# Altium PCB PCB1.PcbDoc (continued)
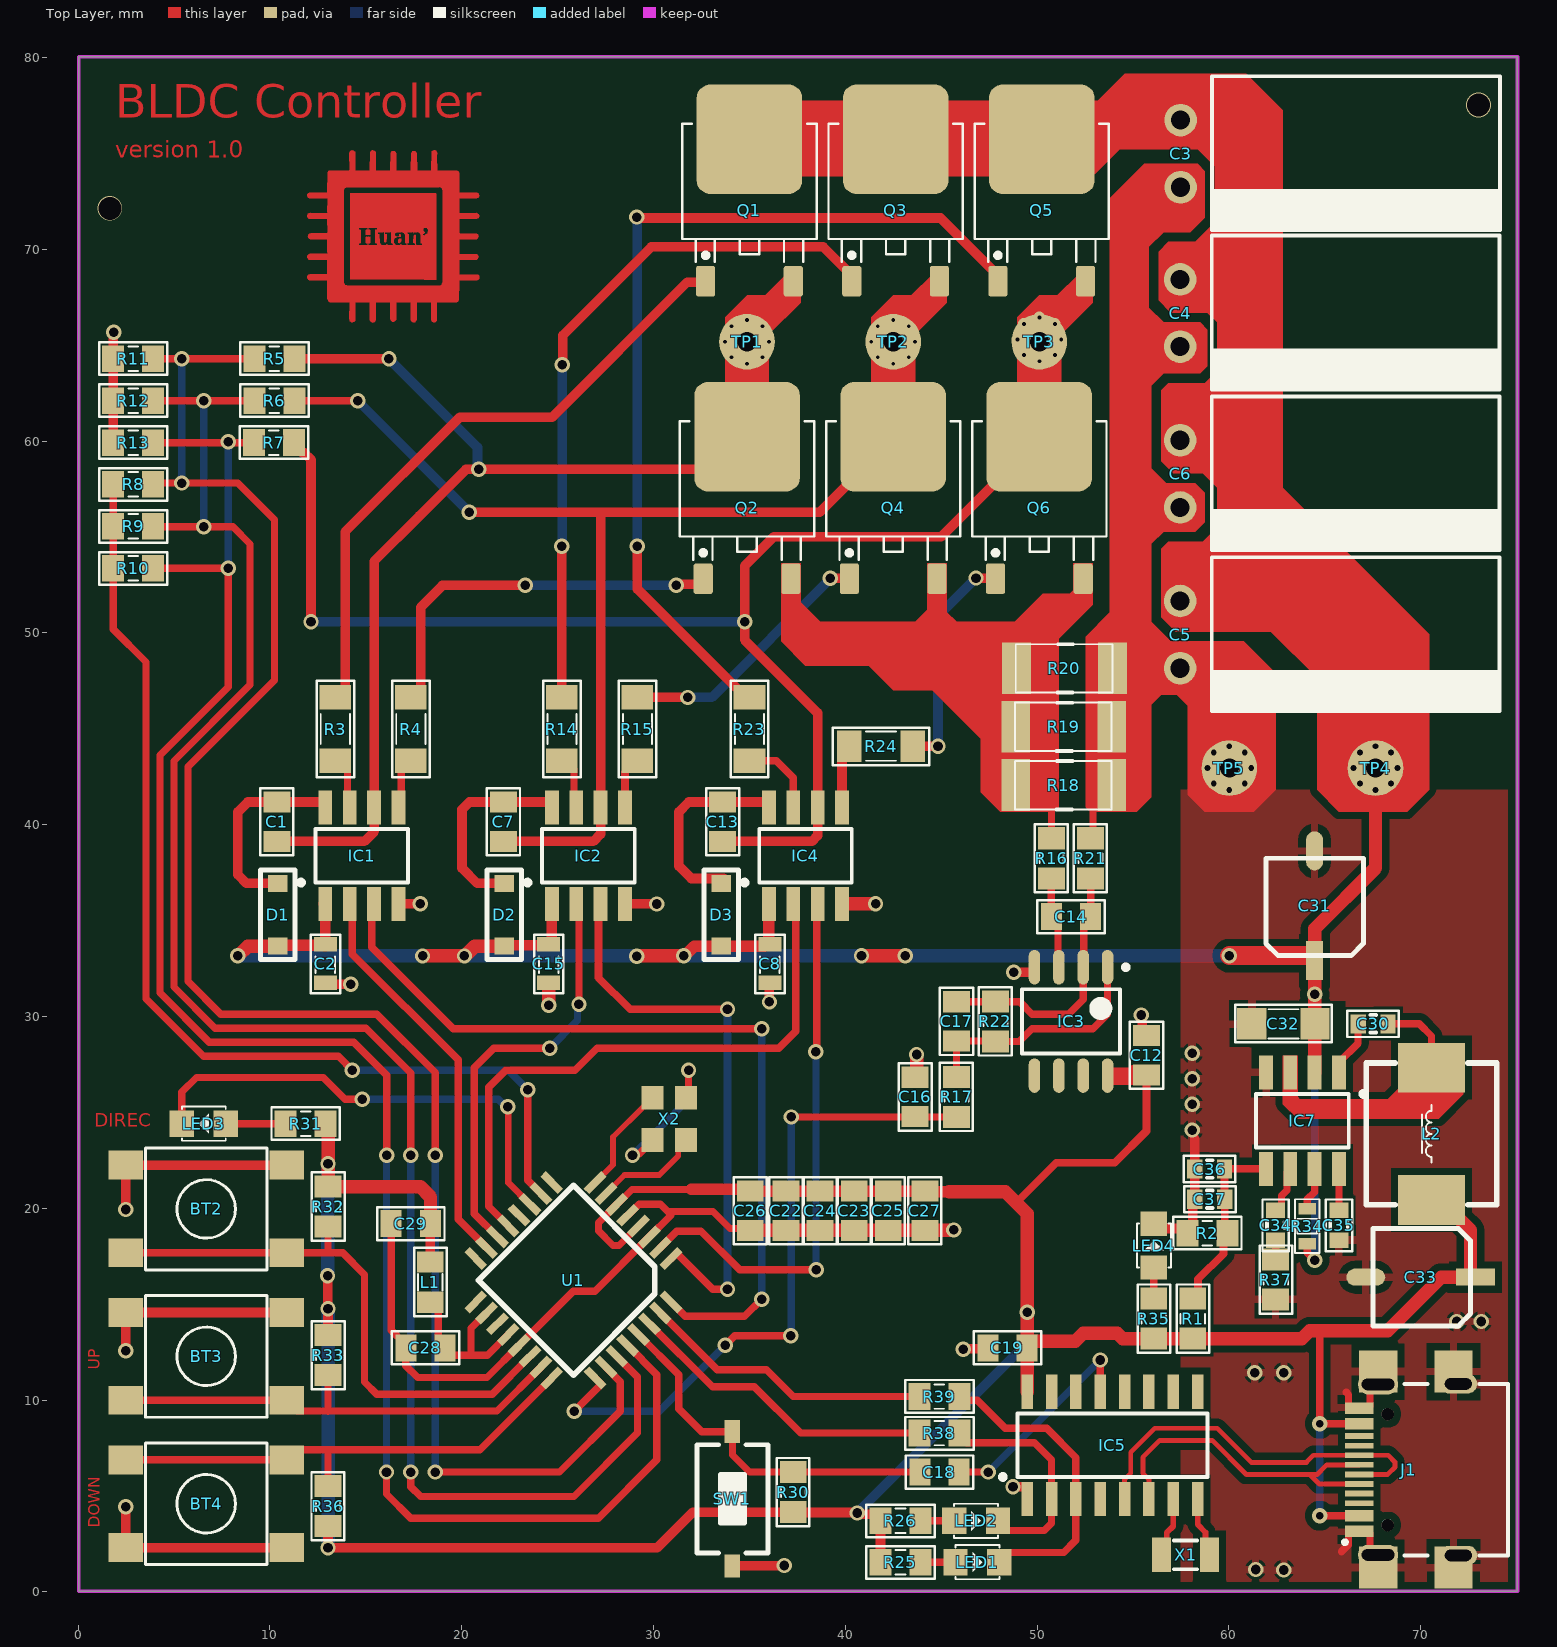
[diagram p0: Top Layer view]
## Footprints (in the part's own frame and the unit in brackets; to place one, negate y for a bottom-side part, rotate by r counter-clockwise, add the part's x,y. Pads: shape width x height; smd on the part's side, far side on the other; paste and mask are expansions set on the pad) (continued)
SOIC-8 [mm]
  rect 1.78x0.72 smd: 1(-2.51,1.905) 2(-2.51,0.635) 3(-2.51,-0.635) 4(-2.51,-1.905) 5(2.51,-1.905) 6(2.51,-0.635) 7(2.51,0.635) 8(2.51,1.905)
  silkscreen extent -1.52,-2.41 1.4,3.3, body extent -2.99,-2.45 2.99,2.45, height 1.35
SOIC-16 [mm]
  rect 1.78x0.6 smd: 1(-2.794,4.445) 2(-2.794,3.175) 3(-2.794,1.905) 4(-2.794,0.635) 5(-2.794,-0.635) 6(-2.794,-1.905) 7(-2.794,-3.175) 8(-2.794,-4.445) 9(2.794,-4.445) 10(2.794,-3.175) 11(2.794,-1.905) 12(2.794,-0.635) 13(2.794,0.635) 14(2.794,1.905) 15(2.794,3.175) 16(2.794,4.445)
  silkscreen extent -1.78,-4.95 1.65,5.84, body extent -2.99,-4.95 2.99,4.95, height 1.35
SW1-SMD [mm]
  rect 1.2x0.8 smd: 1(-3.5,0) 2(3.5,0)
  silkscreen extent -2.82,-1.85 2.82,1.85, body extent -3.05,-1.85 3.05,1.85, height 2.5
SW4_SMD [mm] "SW SMD button 4pin, 250 x250 mil"
  rect 1.8x1.5 smd: 1(-4.191,2.286) 1(4.191,2.286) 2(-4.191,-2.286) 2(4.191,-2.286)
  silkscreen extent -3.17,-3.17 3.17,3.17, body extent -4.43,-3.02 4.58,3.02, height 6
TO-252 [mm] "D-PAK/TO-252-AA; 3 Leads (1 Cropped); Body 10.3 (inc. leads) x 6.7 mm (LxW max)"
  round 0.5 on Mech15: 0(0,0)
  rrect25% 1x1.6 smd: 1(-2.285,-3.7) 3(2.285,-3.7)
  rrect25% 5.5x5.7 smd: 2(0,3.7)
  silkscreen extent -3.5,-2.7 3.5,4.5, body extent -3.3,-3.95 3.3,5.76, height 2.31
TQFP32 [mm]
  rect 1.3x0.4 smd: 1(-4.4,2.8) 2(-4.4,2) 3(-4.4,1.2) 4(-4.4,0.4) 5(-4.4,-0.4) 6(-4.4,-1.2) 7(-4.4,-2) 8(-4.4,-2.8) 17(4.4,-2.8) 18(4.4,-2) 19(4.4,-1.2) 20(4.4,-0.4) 21(4.4,0.4) 22(4.4,1.2) 23(4.4,2) 24(4.4,2.8)
  rect 0.4x1.3 smd: 9(-2.8,-4.4) 10(-2,-4.4) 11(-1.2,-4.4) 12(-0.4,-4.4) 13(0.4,-4.4) 14(1.2,-4.4) 15(2,-4.4) 16(2.8,-4.4) 25(2.8,4.4) 26(2,4.4) 27(1.2,4.4) 28(0.4,4.4) 29(-0.4,4.4) 30(-1.2,4.4) 31(-2,4.4) 32(-2.8,4.4)
  silkscreen extent -3.5,-3.5 3.5,3.5, body extent -4.5,-4.5 4.5,4.5, height 1.3
"XT4 SMD 3225" [mm]
  rect 1.25x1.15 smd: 1(-1.1,-0.875) 2(1.1,-0.875) 3(1.1,0.875) 4(-1.1,0.875)
  body extent -1.6,-1.24 1.6,1.26, height 0.61
XTAL_3215 [mm]
  rect 1x1.8 smd: 1(-1.25,0) 2(1.25,0)
  silkscreen extent -0.6,-0.75 0.6,0.75, body extent -1.6,-0.75 1.6,0.75, height 0.81

## Part data
C1 C2 C7 C8 C12 C13 C14 C15 C16 C17 C18 C19 C22 C23 C24 C25 C26 C27 C28 C29 C30 C32 C34 C35 C36 C37: library part "CAP SMD", "CAP SMD", Designed by=VanDungEvn
C3 C4 C5 C6: library part CAP-ELEC
C31 C33: library part CAP_Radial1, "CAP_Radial1"
D1 D2 D3: library part "Diode Schottky", "Diode Schottky", Part Number="LED 3 ly Single Colour"
IC3: "Low-Power Dual Operational Amplifier"
IC7: "3A, 18V, 340KHz Synchronous Rectified  / Step-Down Converter"
J1: "USB-C (USB TYPE-C) USB 2.0 Receptacle Connector 24 (16+8 Dummy) Position Surface Mount, Right Angle; Through Hole", Package=None, Availability=Warning, Check_prices=https://www.snapeda.com/parts/USB4110-GF-A/Global%20Connector%20Technology/view-part/4001167/?ref=eda, MF=GCT, MP=USB4110-GF-A, Price=None, Purchase-URL=https://pricing.snapeda.com/search/part/USB4110-GF-A/?ref=eda, SnapEDA_Link=https://www.snapeda.com/parts/USB4110-GF-A/Global%20Connector%20Technology/view-part/4001167/?ref=snap
L1 L2: library part inductor-SMD, "inductor-SMD"
LED1 LED2 LED3 LED4: library part LED-SMD-0805
Q1 Q2 Q3 Q4 Q5 Q6: library part MOSFET-N, "MOSFET N chane"
R1 R2 R3 R4 R5 R6 R7 R8 R9 R10 R11 R12 R13 R14 R15 R16 R17 R18 R19 R20 R21 R22 R23 R24 R25 R26 R30 R31 R32 R33 R34 R35 R36 R37 R38 R39: library part Res-SMD, "Resistor", Manufacturer="Generic Components", Class=Passive, Published=08/06/2000, Publisher="Altium Hobart Technology Centre"
SW1: library part SW2, "Switch button 2 pin"
U1: library part Atmega328P-SMD, "Atmega328psmd"
X1: library part XTAL, "crystal"
X2: library part "XTAL SMD 4PIN", "XTAL SMD 3225, 12MHz, Cl=18pF, Tol: ±30ppm, Stab: ±30ppm"

## Via types
v1: diameter 0.8, hole 0.5, Top Layer to Bottom Layer, tented both sides, 91 vias
v2: diameter 0.6, hole 0.2, Top Layer to Bottom Layer, tented both sides, 24 vias
v3: diameter 0.6, hole 0.3, Top Layer to Bottom Layer, tented both sides, 16 vias
v4: diameter 1.3, hole 1.2, Top Layer to Bottom Layer, tented both sides, 2 vias
v5: diameter 0.8, hole 0.4, Top Layer to Bottom Layer, tented both sides, 2 vias

## Nets (pads, with @x,y where several pads share a name; then routed paths per layer and width w, separated by ;. In a path a pad name is that pad's centre, name@x,y a point inside that pad or via, vN(x,y) a via of type N, cw(c..) or ccw(c..) an arc to the next point about the centre after c; other vN are vias at no path point)
+5V: C12.1 C19.1 C22.2 C23.2 C24.2 C25.2 C26.2 C27.2 C29.2 C33.1 IC3.8 IC5.16 J1.A4/B9 J1.B4/A9 L1.2 L2.2 R1.1 R25.1 R26.1 R30.2 R31.1 R32.2 R33.2 R35.1 R36.2 U1.4 U1.6 | length 171.5
  Top Layer w0.381: U1.4 28.203,18.061 27.887,18.061 27.127,18.821 27.127,19.248 U1.6 28.099,20.206 28.873,20.98 31.979,20.98 ; v5(64.732,3.975) J1.A4/B9 ; 64.732,13.614 v5(64.732,8.775) J1.B4/A9
  Top Layer w0.4: 48.908,20.282 51.003,22.377 54.051,22.377 55.702,24.028 C12.1
  Top Layer w0.5: v1(13.005,16.485) 13.018,16.472 13.018,14.77 v1(13.03,14.757) R33.2 ; R36.2 v1(13.03,2.311) 30.201,2.311 32.052,4.162 R30.2 37.311,4.139 40.591,4.139 40.672,4.057 41.507,4.057 41.832,3.732 R25.1 ; L1.2 18.369,17.21 18.369,19.198 C29.2
  Top Layer w0.6: 31.979,20.98 34.96,20.98 C26.2 C22.2 C24.2 C23.2 C25.2 C27.2 44.193,20.853 45.415,20.853
  Top Layer w0.7: R31.1@13.03,24.409 v1(13.03,22.314) R32.2 17.829,21.134 18.374,20.59 C29.2 ; 45.415,20.853 48.336,20.853 48.908,20.282 49.479,19.71 v1(49.479,14.58) 49.479,12.875 49.679,13.075 51.988,13.075 52.4,13.487 54.178,13.487 54.459,13.206 R35.1 R1.1 ; IC5.16 C19.1 ; R1.1@58.369,13.206 63.803,13.206 64.211,13.614 64.732,13.614 68.275,13.614 71.069,16.408 C33.1 ; L2.2 71.011,20.43 72.593,18.848 C33.1@72.593,16.662
  Bottom Layer w0.381: v5(64.732,3.975) v5(64.732,8.775)
  Bottom Layer w0.5: v1(13.005,16.485) v1@13.018,16.497 ; v1@13.018,22.301 v1(13.03,22.314) ; v1(40.615,4.115) 49.479,12.979 v1(49.479,14.58)
  Bottom Layer w0.7: v1@13.018,16.497 v1@13.018,22.301 ; v1(13.03,2.311) v1(13.03,14.757)
DIR: BT2.2 R32.1 U1.22 | length 29.6
  Top Layer w0.381: BT2.2@2.489,17.678 10.871,17.678 13.03,17.678 ; R32.1 13.03,17.678 ; U1.22 21.586,10.312 15.57,10.312 14.935,10.947 14.935,16.535 13.792,17.678 13.03,17.678
DOWN: BT4.2 R36.1 U1.24 | length 25.8
  Top Layer w0.381: BT4.2@2.489,6.883 10.871,6.883 11.405,7.417 20.953,7.417 U1.24 ; R36.1 13.03,7.391
GND: BT2.1 BT3.1 BT4.1 C2.1 C3.2 C4.2 C5.2 C6.2 C8.1 C12.2 C15.1 C16.2 C19.2 C22.1 C23.1 C24.1 C25.1 C26.1 C27.1 C28.1 C29.1 C31.2 C32.1 C33.2 C35.1 C36.2 C37.2 IC1.4 IC2.4 IC3.4 IC4.4 IC5.1 IC7.4 J1.A1/B12 J1.B1/A12 J1.S1 J1.S2 J1.S3 J1.S4 LED4.2 R2.2 R11.2 R12.2 R13.2 R18.2 R19.2 R20.2 R21.1 R37.1 SW1.2 TP5.1 U1.3 U1.5 U1.21 X2.2 X2.4 | length 122.8
  Top Layer w0.381: C29.1 16.323,13.637 17.085,12.875 C28.1 17.085,11.795 17.704,11.176 21.318,11.176 U1.21 25.819,15.677 26.951,15.677 U1.3 30.897,19.624 30.897,19.689 30.748,19.837 ; U1.5 28.665,19.641 29.242,20.218 30.367,20.218 30.748,19.837 ; v1(28.905,22.758) 28.985,22.839 29.26,22.839 29.935,23.513 X2.2 ; X2.4 31.826,25.904 v1(31.826,27.203) ; C26.1 34.947,18.943 33.991,18.943 33.096,19.837 30.748,19.837 ; R21.1 52.908,39.418 52.908,41.412 ; 65.862,2.091 66.234,2.463 66.234,3.066 66.344,3.175 J1.A1/B12 67.244,3.175 67.353,3.066 67.353,2.237 67.662,1.928 J1.S1@67.775,1.928 ; 66.116,10.406 66.234,10.288 66.234,9.685 66.344,9.575 J1.B1/A12 67.244,9.575 67.353,9.685 67.353,10.513 67.662,10.822 J1.S2@67.775,10.822
  Top Layer w0.5: R13.2 R12.2 R11.2 1.839,64.299 1.839,65.663 v1(1.851,65.675) ; v1(2.489,4.445) 2.489,2.311 BT4.1@10.871,2.311 ; v1(2.489,12.573) 2.489,14.567 BT3.1@10.871,14.567 ; v1(2.489,19.939) 2.489,22.25 BT2.1@10.871,22.25 ; C2.1@12.896,31.681 v1(14.217,31.681) ; IC1.4 v1(17.831,35.869) ; IC2.4 30.175,35.869 v1(30.175,35.865) ; SW1.2 34.125,1.364 36.797,1.364 v1(36.81,1.377) ; v1(36.043,30.759) 36.043,31.619 36.162,31.738 C8.1@36.211,31.738 ; v1(46.152,12.649) 46.19,12.687 47.39,12.687 C19.2 ; v1(48.743,5.486) 49.429,5.486 49.479,5.436 IC5.1 ; v1(48.776,32.3) 49.814,32.3 49.86,32.347 IC3.4 ; v1(55.426,30.075) 55.484,30.018 55.484,29.219 C12.2 ; LED4.2 56.337,18.948 57.58,18.948 R2.2 58.115,18.975 58.115,20.364 C37.2 58.223,23.628 ; R37.1@62.433,15.189 R37.1
  Top Layer w0.7: v1(24.536,30.582) C15.1 ; C26.1 C23.1 C27.1 44.156,18.861 45.633,18.861 v1(45.644,18.872) ; IC4.4 v1(41.575,35.869) ; C16.2 43.713,26.908 v1(43.713,28.016)
  Bottom Layer w0.381: v1(28.905,22.758) 31.826,25.679 v1(31.826,27.203)
  other v1: 62.865,1.143 61.392,1.168 61.341,11.43 62.865,11.43 71.882,14.097 73.152,14.097 58.09,24.079 58.09,25.417 58.09,26.755 58.09,28.092
  other v3: 60.02,41.808 59.212,42.143 60.828,42.143 58.877,42.951 61.163,42.951 59.212,43.76 60.828,43.76 60.02,44.094
LED_DIR: LED3.2 U1.11 | length 25.2
  Top Layer w0.35: v1(22.407,25.298) 22.428,25.277 22.428,21.338 U1.11
  Top Layer w0.381: LED3.2 5.41,26.06 6.172,26.822 12.776,26.822 13.919,25.679 v1(14.808,25.679)
  Bottom Layer w0.381: v1(14.808,25.679) 21.912,25.679 22.293,25.298 v1(22.407,25.298)
MCU_Rx: R38.1 U1.30 | length 16.4
  Top Layer w0.381: U1.30 33.073,10.693 35.255,10.693 37.668,8.28 R38.1
MCU_Tx: R39.2 U1.31 | length 15.3
  Top Layer w0.381: U1.31 33.315,11.582 35.89,11.582 37.287,10.185 R39.2
NetC1_1: C1.1 D1.2 IC1.8 | length 10.6
  Top Layer w0.5: D1.2 8.779,36.941 8.331,37.389 8.331,40.665 8.849,41.183 C1.1 12.879,41.183 12.889,41.173 IC1.8
NetC7_1: C7.1 D2.2 IC2.8 | length 10.7
  Top Layer w0.5: D2.2@22.225,36.907 D2.2@22.301,36.907 ; D2.2 20.81,36.941 20.015,37.736 20.015,40.792 20.406,41.183 C7.1 24.59,41.183 24.7,41.073 IC2.8
NetC13_1: C13.1 D3.2 IC4.8 | length 10.6
  Top Layer w0.5: D3.2@33.655,37.195 31.969,37.195 31.318,37.846 31.318,40.665 31.836,41.183 C13.1 35.907,41.183 36.017,41.073 IC4.8
NetC14_1: C14.1 C17.2 IC3.2 R21.2 R22.1 | length 13.7
  Top Layer w0.381: C17.2 47.828,30.769 49.089,30.769 49.733,30.124 51.638,30.124 52.4,30.886 IC3.2 52.431,32.599 52.431,34.845 C14.1 52.791,37.196 R21.2
NetC14_2: C14.2 IC3.3 R16.2 | length 4.8
  Top Layer w0.381: R16.2 50.74,37.196 50.74,35.2 51.088,34.852 51.088,32.61 IC3.3
NetC16_1: C16.1 R17.2 U1.25 | length 35.4
  Top Layer w0.381: v1(25.872,9.423) 27.272,10.824 27.272,10.837 U1.25 ; v1(33.731,12.852) 34.239,13.36 v1(37.16,13.36) ; v1(37.187,24.763) R17.2
  Bottom Layer w0.381: v1(25.872,9.423) 30.302,9.423 v1(33.731,12.852) ; v1(37.16,13.36) 37.174,13.374 37.174,24.75 v1(37.187,24.763)
NetC17_1: C17.1 IC3.1 R17.1 R22.2 | length 12.8
  Top Layer w0.381: R17.1 C17.1 47.811,28.718 R22.2 49.071,28.7 49.733,29.362 52.908,29.362 53.67,30.124 IC3.1
NetC18_2: C18.2 IC5.13 | length 11.4
  Top Layer w0.381: C18.2 v1(47.447,6.248) ; IC5.13 v1(53.289,12.09)
  Bottom Layer w0.381: v1(47.447,6.248) v1(53.289,12.09)
NetC28_2: C28.2 L1.1 U1.18 U1.20 | length 9.2
  Top Layer w0.381: L1.1 18.417,15.104 18.776,14.744 18.776,13.085 C28.2 19.136,12.704 19.495,12.344 20.488,12.344 ; U1.18 20.488,13.74 20.488,12.344 ; U1.20 22.415,13.418 21.342,12.344 20.488,12.344
NetC30_1: C30.1 IC7.3 L2.1 | length 4.2
  Top Layer w0.381: C30.1 69.926,29.616 70.561,28.981 L2.1
NetC30_2: C30.2 IC7.1 | length 3
  Top Layer w0.381: IC7.1 65.735,27.606 66.732,28.603 C30.2
NetC34_1: C34.1 R37.2 | length 1.1
  Top Layer w0.4: R37.2@62.433,17.208 C34.1
NetC34_2: C34.2 IC7.6 | length 2.5
  Top Layer w0.381: C34.2 62.533,19.894 62.743,20.103 62.743,20.655 63.026,20.938 63.026,21.887 IC7.6
NetC35_2: C35.2 IC7.8 | length 2.2
  Top Layer w0.381: C35.2 IC7.8
NetC36_1: C36.1 C37.1 IC7.5 R1.2 R2.1 | length 9.5
  Top Layer w0.381: R2.1@59.785,18.84 C37.1
  Top Layer w0.4: R1.2@58.369,15.292 58.382,15.305 58.382,16.294 59.718,17.63 59.718,18.492 R2.1 ; C37.1@59.768,20.472 59.768,21.766 59.768,22.046 C36.1 ; C36.1@59.769,21.766 59.908,21.905 60.059,22.056 IC7.5
NetIC1_2: IC1.2 U1.15 | length 20.9
  Top Layer w0.381: IC1.2 14.3,35.728 14.3,33.249 19.812,27.737 19.812,19.429 U1.15
NetIC1_3: IC1.3 U1.32 | length 43.9
  Top Layer w0.381: IC1.3 15.316,35.756 15.316,33.604 19.558,29.362 v1(35.636,29.362) ; U1.32 31.653,14.376 34.747,14.376 v1(35.636,15.265)
  Bottom Layer w0.381: v1(35.636,15.265) v1(35.636,29.362)
NetIC1_5: IC1.5 R4.2 | length 2.7
  Top Layer w0.381: IC1.5 16.84,41.03 16.84,42.888 17.285,43.332 R4.2
NetIC1_7: IC1.7 R3.2 | length 2.9
  Top Layer w0.381: R3.2 13.602,43.332 14.046,42.888 14.046,41.002 IC1.7
NetIC2_2: IC2.2 U1.14 | length 21.9
  Top Layer w0.381: U1.14 20.65,19.722 20.65,27.33 21.666,28.346 v1(24.587,28.346) ; IC2.2 26.111,35.728 v1(26.111,30.632)
  Bottom Layer w0.381: v1(24.587,28.346) 26.031,29.79 26.031,30.552 v1(26.111,30.632)
NetIC2_3: IC2.3 U1.1 | length 29.8
  Top Layer w0.4: IC2.3 27.127,35.756 27.127,32.029 28.778,30.378 v1(33.858,30.378) ; U1.1 31.203,17.667 33.096,15.773 v1(33.858,15.773)
  Bottom Layer w0.4: v1(33.858,15.773) v1(33.858,30.378)
NetIC2_5: IC2.5 R15.2 | length 2.5
  Top Layer w0.4: IC2.5 28.51,42.747 R15.2@28.969,43.205
NetIC2_7: IC2.7 R14.2 | length 2.9
  Top Layer w0.381: R14.2 25.413,43.332 25.857,42.888 25.857,41.002 IC2.7
NetIC4_2: IC4.2 U1.13 | length 31.6
  Top Layer w0.381: U1.13 21.412,20.091 21.412,26.314 22.301,27.203 25.908,27.203 27.051,28.346 36.525,28.346 37.414,29.235 37.414,35.742 IC4.2
NetIC4_3: IC4.3 U1.2 | length 28.5
  Top Layer w0.381: U1.2 31.212,18.807 32.475,18.807 34.493,16.789 v1(38.481,16.789)
  Top Layer w0.4: v1(38.456,28.169) 38.506,28.219 38.506,35.819 IC4.3
  Bottom Layer w0.381: v1(38.456,28.169) 38.468,28.156 38.468,16.802 v1(38.481,16.789)
NetIC4_5: IC4.5 R24.2 | length 3.3
  Top Layer w0.5: IC4.5 R24.2@39.827,44.221
NetIC4_7: IC4.7 R23.2 | length 4.2
  Top Layer w0.381: R23.2 36.398,43.332 37.287,42.443 IC4.7
NetIC5_2: IC5.2 LED2.2 R38.2 | length 11.9
  Top Layer w0.3: LED2.2 47.955,3.685 LED2.2@48.44,3.2
  Top Layer w0.381: R38.2 45.95,8.157 46.335,7.772 49.86,7.772 50.749,6.883 IC5.2 50.749,3.581 50.368,3.2 LED2.2@48.44,3.2
NetIC5_3: IC5.3 LED1.2 R39.1 | length 16.2
  Top Layer w0.381: R39.1 46.139,9.997 46.874,9.997 48.336,8.534 50.495,8.534 52.019,7.01 IC5.3 52.019,2.692 51.384,2.057 48.473,2.057 48.028,1.613 LED1.2
NetIC5_7: IC5.7 X1.2 | length 3.2
  Top Layer w0.3: X1.2 56.761,2.207 56.761,3.09 57.099,3.429 IC5.7
NetIC5_8: IC5.8 X1.1 | length 3.2
  Top Layer w0.3: IC5.8 58.369,3.511 58.776,3.105 58.776,2.139 X1.1
NetIC7_7: IC7.7 R34.1 | length 2.2
  Top Layer w0.381: R34.1 64.084,20.472 64.465,20.853 IC7.7
NetLED1_1: LED1.1 R25.2 | length 1.8
  Top Layer w0.381: R25.2@43.991,1.549 LED1.1
NetLED2_1: LED2.1 R26.2 | length 1.7
  Top Layer w0.381: R26.2@44.018,3.708 LED2.1
NetLED3_1: LED3.1 R31.2 | length 3.2
  Top Layer w0.381: LED3.1@7.589,24.409 R31.2
NetLED4_1: LED4.1 R35.2 | length 1.6
  Top Layer w0.381: R35.2 LED4.1
NetQ1_1: Q1.1 R3.1 | length 33.1
  Top Layer w0.5: R3.1 13.534,46.634 13.919,47.019 13.919,55.27 19.888,61.239 24.714,61.239 31.759,68.284 32.666,68.284 Q1.1
NetQ2_1: Q2.1 R4.1 | length 20.4
  Top Layer w0.5: R4.1 17.471,46.634 17.856,47.019 17.856,51.333 18.999,52.476 v1(23.317,52.476) ; v1(31.191,52.476) 31.249,52.534 32.339,52.534 32.589,52.784 Q2.1
  Bottom Layer w0.5: v1(23.317,52.476) v1(31.191,52.476)
NetQ3_1: Q3.1 R14.1 | length 36.8
  Top Layer w0.5: R14.1 v1(25.222,54.508) ; v1(25.248,63.983) 25.269,64.004 25.269,65.502 29.896,70.129 38.841,70.129 40.336,68.634 Q3.1
  Bottom Layer w0.5: v1(25.222,54.508) 25.235,54.521 25.235,63.97 v1(25.248,63.983)
NetQ4_1: Q4.1 R15.1 | length 13.7
  Top Layer w0.5: R15.1 v1(31.775,46.634) ; v1(39.209,52.84) 40.192,52.84 Q4.1
  Bottom Layer w0.5: v1(31.775,46.634) 33.045,46.634 39.209,52.798 v1(39.209,52.84)
NetQ5_1: Q5.1 R23.1 | length 48
  Top Layer w0.5: v1(29.134,71.679) 29.185,71.628 44.963,71.628 47.956,68.634 Q5.1 ; v1(29.159,54.508) 29.159,52.286 34.426,47.019 34.811,46.634 R23.1
  Bottom Layer w0.5: v1(29.134,71.679) 29.146,71.666 29.146,54.521 v1(29.159,54.508)
NetQ6_1: Q6.1 R24.1 | length 11.9
  Top Layer w0.5: R24.1 v1(44.831,44.094) ; v1(46.812,52.857) 46.829,52.84 47.812,52.84 Q6.1
  Bottom Layer w0.5: v1(44.831,44.094) 44.831,50.876 v1(46.812,52.857)
NetR5_2: R5.2 R8.2 R11.1 U1.26 | length 94.1
  Top Layer w0.381: R8.2 3.979,57.81 v1(5.41,57.81) 8.331,57.81 10.236,55.905 10.236,47.523 5.729,43.016 5.729,31.837 7.442,30.124 15.57,30.124 18.618,27.076 v1(18.618,22.758) ; R11.1 v1(5.41,64.287) R5.2 ; v1(18.618,6.248) 25.095,6.248 28.27,9.423 28.27,10.957 27.52,11.708 U1.26
  Bottom Layer w0.381: v1(5.41,57.81) v1(5.41,64.287) ; v1(18.618,6.248) v1(18.618,22.758)
NetR6_2: R6.2 R9.2 R12.1 U1.27 | length 95.6
  Top Layer w0.381: R9.2 3.941,55.527 v1(6.551,55.527) 8.075,55.527 8.966,54.635 8.966,47.287 4.998,43.319 4.998,31.535 7.139,29.393 15.013,29.393 17.348,27.059 v1(17.348,22.758) ; R12.1 v1(6.551,62.098) 9.188,62.098 R6.2 ; v1(17.348,6.248) 17.348,5.486 17.856,4.978 25.857,4.978 29.159,8.28 29.159,11.213 U1.27
  Bottom Layer w0.381: v1(6.551,55.527) v1(6.551,62.098) ; v1(17.348,6.248) v1(17.348,22.758)
NetR7_2: R7.2 R10.2 R13.1 U1.28 | length 97.3
  Top Layer w0.381: R10.2 v1(7.823,53.365) 7.823,47.178 4.267,43.622 4.267,31.232 6.837,28.662 14.365,28.662 16.085,26.942 v1(16.085,22.758) ; R13.1 9.158,59.908 R7.2 ; v1(16.078,6.248) 16.078,5.105 17.348,3.835 27.127,3.835 30.175,6.883 30.175,11.328 U1.28
  Bottom Layer w0.381: v1(7.823,53.365) v1(7.823,59.969) ; v1(16.078,6.248) 16.082,6.252 16.082,22.755 v1(16.085,22.758)
NetR8_1: R8.1 R9.1 R10.1 U1.10 | length 55.1
  Top Layer w0.381: R8.1 R9.1 R10.1 1.827,50.19 3.536,48.481 3.536,30.929 6.534,27.931 13.572,27.931 v1(14.3,27.203) ; v1(23.444,26.187) 23.444,21.467 24.126,20.785 U1.10
  Bottom Layer w0.381: v1(14.3,27.203) 22.428,27.203 v1(23.444,26.187)
NetU1_7: U1.7 X2.3 | length 5.4
  Top Layer w0.3: U1.7 28.49,21.742 30.302,21.742 31.286,22.726 31.286,23.164 X2.3@31.558,23.436
NetU1_8: U1.8 X2.1 | length 5.5
  Top Layer w0.3: U1.8 27.889,22.273 27.889,23.717 29.46,25.288 29.51,25.288 29.808,25.586 X2.1@29.808,25.636
nRST: C18.1 R30.1 SW1.1 U1.29 | length 19.4
  Top Layer w0.381: U1.29 31.318,11.317 31.318,9.55 32.517,8.351 SW1.1 34.112,7.137 35.001,6.248 R30.1 C18.1
P_GND: Q2.3 Q4.3 Q6.3 R16.1 R18.1 R19.1 R20.1 | length 2.8
  Top Layer w0.381: R16.1 50.749,42.062
PHASE-A: C1.2 IC1.6 Q1.3 Q2.2 R5.1 TP1.1 | length 54.1
  Top Layer w0.5: C1.2 14.926,39.132 15.443,39.649 IC1.6@15.443,40.875 ; R5.1 v1(16.205,64.287) ; IC1.6 15.429,53.732 17.795,56.098 20.218,58.522 33.172,58.522 Q2.2
  Bottom Layer w0.5: v1(16.205,64.287) 20.821,59.671 20.821,58.579 v1(20.879,58.522)
  other v2: 34.874,64.033 34.066,64.368 35.682,64.368 33.731,65.176 36.017,65.176 34.066,65.985 35.682,65.985 34.874,66.319
PHASE-B: C7.2 IC2.6 Q3.3 Q4.2 R6.1 TP2.1 | length 57.3
  Top Layer w0.4: R6.1 v1(14.58,62.103)
  Top Layer w0.5: v1(20.396,56.286) 38.657,56.286 42.494,60.123 Q4.2 ; C7.2 26.864,39.132 27.24,39.508 27.24,56.286
  Bottom Layer w0.5: v1(14.58,62.103) v1(20.396,56.286)
  other v2: 42.494,64.033 41.686,64.368 43.302,64.368 41.351,65.176 43.637,65.176 41.686,65.985 43.302,65.985 42.494,66.319
PHASE-C: C13.2 IC4.6 Q5.3 Q6.2 R7.1 TP3.1 | length 71.3
  Top Layer w0.5: R7.1 11.254,59.795 11.638,59.411 11.762,59.411 12.141,59.031 v1(12.141,50.571) ; C13.2 38.264,39.132 38.557,39.425 IC4.6 38.557,45.822 34.747,49.632 v1(34.747,50.571) 34.747,53.492 36.271,55.016 45.007,55.016 50.114,60.123 Q6.2
  Bottom Layer w0.5: v1(12.141,50.571) v1(34.747,50.571)
  other v2: 50.114,64.16 49.306,64.495 50.922,64.495 48.971,65.303 51.257,65.303 49.306,66.112 50.922,66.112 50.114,66.446
UP: BT3.2 R33.1 U1.23 | length 24.7
  Top Layer w0.381: BT3.2@2.489,9.995 10.871,9.995 11.431,9.435 13.03,9.435 ; 13.03,9.423 13.03,9.435 ; R33.1 13.03,9.435 ; U1.23 21.84,9.435 13.03,9.435
USB_N: IC5.6 J1.A7 J1.B7 | length 17.7
  Top Layer w0.254: IC5.6 55.829,5.868 55.512,6.186 55.512,7.01 56.401,7.899 59.122,7.899 60.9,6.121 64.211,6.121 ; J1.B7 64.707,5.625 64.211,6.121 ; J1.A7 65.104,6.625 64.6,6.121 64.211,6.121
USB_P: IC5.5 J1.A6 J1.B6 | length 20.2
  Top Layer w0.254: IC5.5 54.559,5.868 54.877,6.186 54.877,7.273 56.138,8.534 59.385,8.534 61.163,6.756 64.033,6.756 64.402,7.125 J1.B6 68.301,7.125 68.656,6.77 68.656,6.509 68.272,6.125 J1.A6
VCC: C2.2 C3.1 C4.1 C5.1 C6.1 C8.2 C15.2 C31.1 C32.2 D1.1 D2.1 D3.1 IC1.1 IC2.1 IC4.1 IC7.2 Q1.2 Q3.2 Q5.2 R34.2 TP4.1 | length 110.7
  Top Layer w0.4: R34.2 64.084,17.678 v1(64.465,17.297)
  Top Layer w0.55: C2.2@12.893,33.76 IC1.1@12.893,35.866 ; D2.1 22.268,33.714 24.494,33.714 C15.2 24.594,33.757 24.7,33.863 IC2.1
  Top Layer w0.6: D1.1@10.469,33.726 C2.2@12.865,33.726 ; v1(31.572,33.172) 31.626,33.172 32.118,33.664 33.521,33.664 D3.1 35.763,33.671 36.017,33.925 IC4.1
  Top Layer w0.7: v1(8.331,33.172) 8.358,33.172 8.854,33.668 10.411,33.668 D1.1 D1.1@10.469,33.726 ; C2.2@12.865,33.726 C2.2 C2.2@12.893,33.76 ; IC1.1 IC1.1@12.893,35.866 ; v1(17.958,33.156) v1(20.142,33.156) 20.169,33.156 20.665,33.652 22.206,33.652 D2.1 ; v1(29.134,33.147) 29.146,33.16 31.559,33.16 v1(31.572,33.172) ; v1(40.843,33.172) v1(43.129,33.172) ; IC7.2 C32.2@64.465,29.108 ; C32.2@64.465,30.251 v1(64.465,31.153) C31.1 64.465,34.569 67.64,37.744 v3(67.64,41.808) TP4.1 ; C32.2@64.491,29.108 C32.2 C32.2@64.491,30.01 ; v3(66.832,42.143) TP4.1 ; v3(68.448,42.143) TP4.1
  Top Layer w1: v1(60.02,33.172) C31.1@64.41,33.172
  Bottom Layer w0.4: v1(64.465,17.297) v1(64.465,31.153)
  Bottom Layer w0.7: v1(8.331,33.172) v1@17.831,33.172 ; v1@20.015,33.172 20.028,33.16 29.121,33.16 v1(29.134,33.147) ; v1(31.572,33.172) v1(40.843,33.172) ; v1(43.129,33.172) v1(60.02,33.172)
  other v3: 66.497,42.951 68.783,42.951 66.832,43.76 68.448,43.76 67.64,44.094
pads on no net: IC3.5 IC3.6 IC3.7 IC5.4 IC5.9 IC5.10 IC5.11 IC5.12 IC5.14 IC5.15 J1. J1.A5 J1.A8 J1.B5 J1.B8 Q1.0 Q2.0 Q3.0 Q4.0 Q5.0 Q6.0 U1.9 U1.12 U1.16 U1.17 U1.19
copper on no net:
  other v4: 1.651,72.136 73.008,77.525

## Polygon pours and split planes (outlines as drawn)
GND on Top Layer "GND_L01_P000" (solid, pour order 0): 57.48,41.808 75.006,41.808 75.006,0.025 57.48,0.025
GND on Bottom Layer "GND_L02_P002" (solid, pour order 2): 47.879,45.72 53.721,51.562 53.721,80.01 75.057,80.01 75.057,45.72
GND on Bottom Layer "GND_L02_P001" (solid, pour order 1): 0,0 75.057,0 75.057,45.72 47.879,45.72 47.879,40.132 10.287,40.132 10.287,80.061 0,80.061

## Keep-outs
Keep-Out Layer:
  the board outline again, w0.2

## Other copper
Top Layer:
  region: 16.834,70.416 16.804,70.363 16.793,70.344 16.778,70.336 16.755,70.329 16.736,70.325 16.699,70.34 16.683,70.378 16.691,70.498 16.747,70.555 16.83,70.547 16.842,70.536 16.834,70.423
  region: 327 vertices and 1 holes, not listed, extent 11.94,66.177 20.926,75.174
  region: 14 vertices and 5 holes, not listed, extent 14.182,68.423 18.68,72.921
  pour cut-out: 61.595,17.613 61.595,19.774 56.744,19.774 56.744,17.628
  pour cut-out: 66.091,30.821 66.091,28.391 61.951,28.391 61.951,30.835
  pour cut-out: 63.532,15.799 61.354,15.799 61.354,18.28 63.532,18.28
  pour cut-out: 59.195,12.25 59.195,16.248 57.277,16.248 57.277,12.25
  region net +5V: 53.67,27.33 54.813,27.33 54.94,27.457 55.702,27.457 55.702,26.949 55.194,26.441 53.67,26.441
  region net NetC30_1: 62.814,27.965 63.576,27.965 63.576,25.806 63.703,25.679 68.275,25.679 69.164,26.568 69.164,27.33 69.672,27.838 71.45,27.838 72.212,27.076 72.212,25.933 70.942,24.663 63.576,24.663 62.814,25.425
  region net P_GND: 36.652,49.555 37.922,48.285 41.224,48.285 42.494,47.015 43.002,47.015 44.526,47.015 47.066,44.475 47.066,41.681 48.082,40.665 50.876,40.665 51.13,40.919 51.13,49.682 52.908,51.46 52.908,53.619 51.892,53.619 51.892,52.222 51.702,52.032 50.305,52.032 48.844,50.571 45.796,50.571 45.288,51.079 45.288,53.619 44.272,53.619 44.272,51.206 43.637,50.571 38.684,50.571 37.668,51.587 37.668,53.619 36.652,53.619
  region net GND: 58.115,49.555 60.782,49.555 62.433,47.904 62.433,41.808 61.29,40.665 58.75,40.665 57.861,41.554 57.861,46.19 57.29,46.761
  region net VCC: 53.162,77.749 54.559,79.146 60.909,79.146 62.814,77.241 62.814,57.556 70.434,49.936 70.434,41.808 69.291,40.665 65.735,40.665 64.592,41.808 64.592,47.65 62.179,50.063 57.226,50.063 56.464,50.825 56.464,54.381 56.845,54.762 58.623,54.762 59.385,55.524 59.385,57.556 58.623,58.318 57.099,58.318 56.464,58.953 56.464,62.636 56.845,63.017 58.75,63.017 59.385,63.652 59.385,66.192 58.877,66.7 56.972,66.7 56.337,67.335 56.337,69.875 56.845,70.383 58.242,70.383 59.258,71.399 59.258,74.32 58.369,75.209 54.305,75.209 52.908,73.812 34.747,73.812 33.223,75.336 33.223,77.495 33.477,77.749
  region net GND: 52.527,40.919 52.781,40.665 55.194,40.665 55.956,41.427 55.956,46.253 56.464,46.761 58.115,46.761 58.75,47.396 58.75,48.92 58.115,49.555 56.972,49.555 55.956,50.571 55.956,54.635 56.591,55.27 58.242,55.27 58.75,55.778 58.75,57.302 58.242,57.81 56.718,57.81 55.956,58.572 55.956,62.89 56.591,63.525 58.496,63.525 58.877,63.906 58.877,65.811 58.496,66.192 56.591,66.192 55.829,66.954 55.829,70.129 56.591,70.891 57.988,70.891 58.75,71.653 58.75,74.066 58.369,74.447 55.575,74.447 53.797,72.669 53.797,66.319 53.797,51.079 52.527,49.809
  region net PHASE-C: 50.114,67.589 51.058,67.589 52.164,68.696 52.908,67.952 52.908,67.208 51.257,65.557 51.257,61.366 50.114,60.223 48.971,61.366 48.971,66.446
  region net PHASE-B: 42.494,67.589 43.438,67.589 44.544,68.696 45.288,67.952 45.288,67.208 43.637,65.557 43.637,61.366 42.494,60.223 41.351,61.366 41.351,66.446
  region net PHASE-A: 34.874,67.589 35.818,67.589 36.924,68.696 37.668,67.952 37.668,67.208 36.017,65.557 36.017,61.366 34.874,60.223 33.731,61.366 33.731,66.446
  text "BLDC Controller" at 1.93,76.29 h3
  text "version 1.0" at 1.93,74.493 h1.5
  text "DIREC" at 0.839,24.024 h1.2
  text "UP" at 1.324,11.582 h1 r90
  text "DOWN" at 1.324,3.353 h1 r90